# Altium PCB PCB1.pcbdoc (part 1 of 4)
Units mm, origin at the board's own origin, x right, y up, seen from the top; angles counter-clockwise.
Board outline 94.87 x 122.94 mm, 4 copper layers (Top Layer, Inner1, Inner2, Bottom Layer); 129 components, 127 nets, 713 pads, 345 vias.
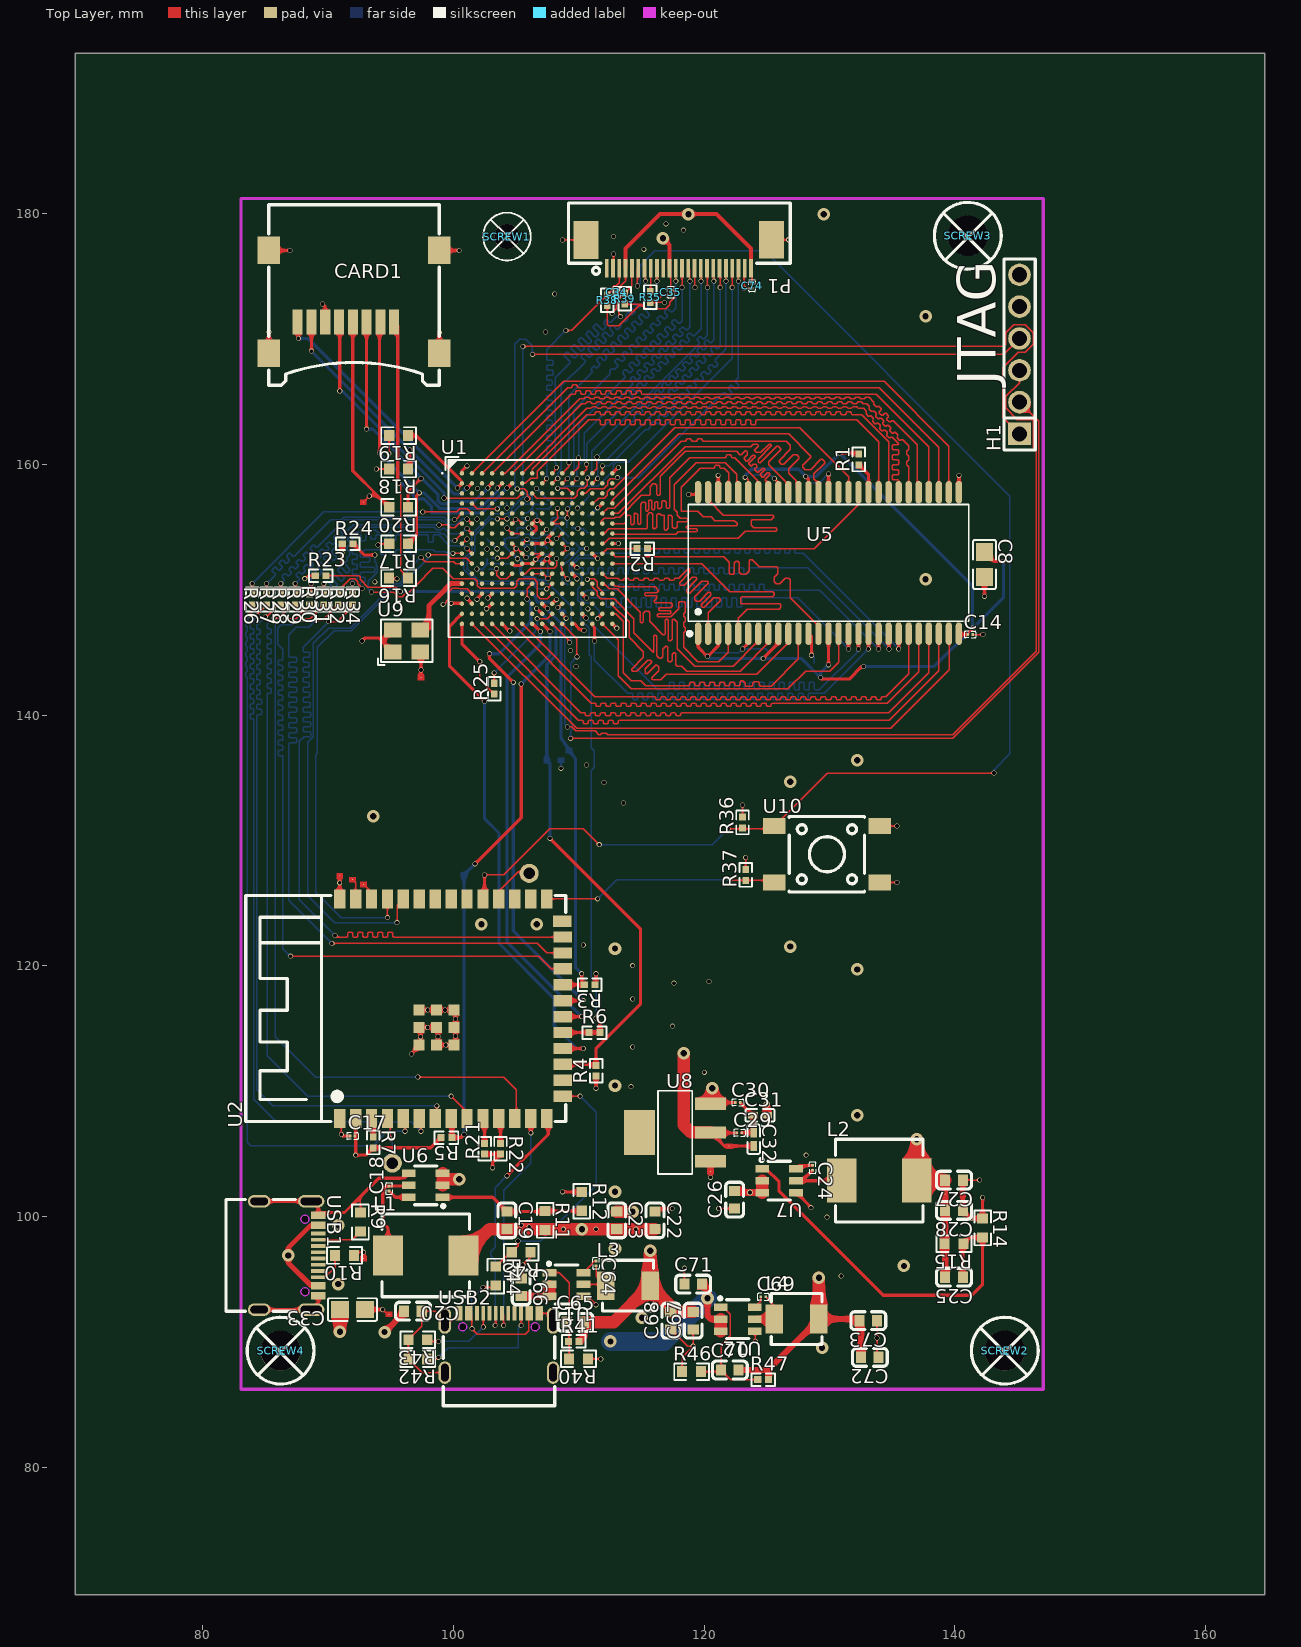
[diagram p0: Top Layer view]
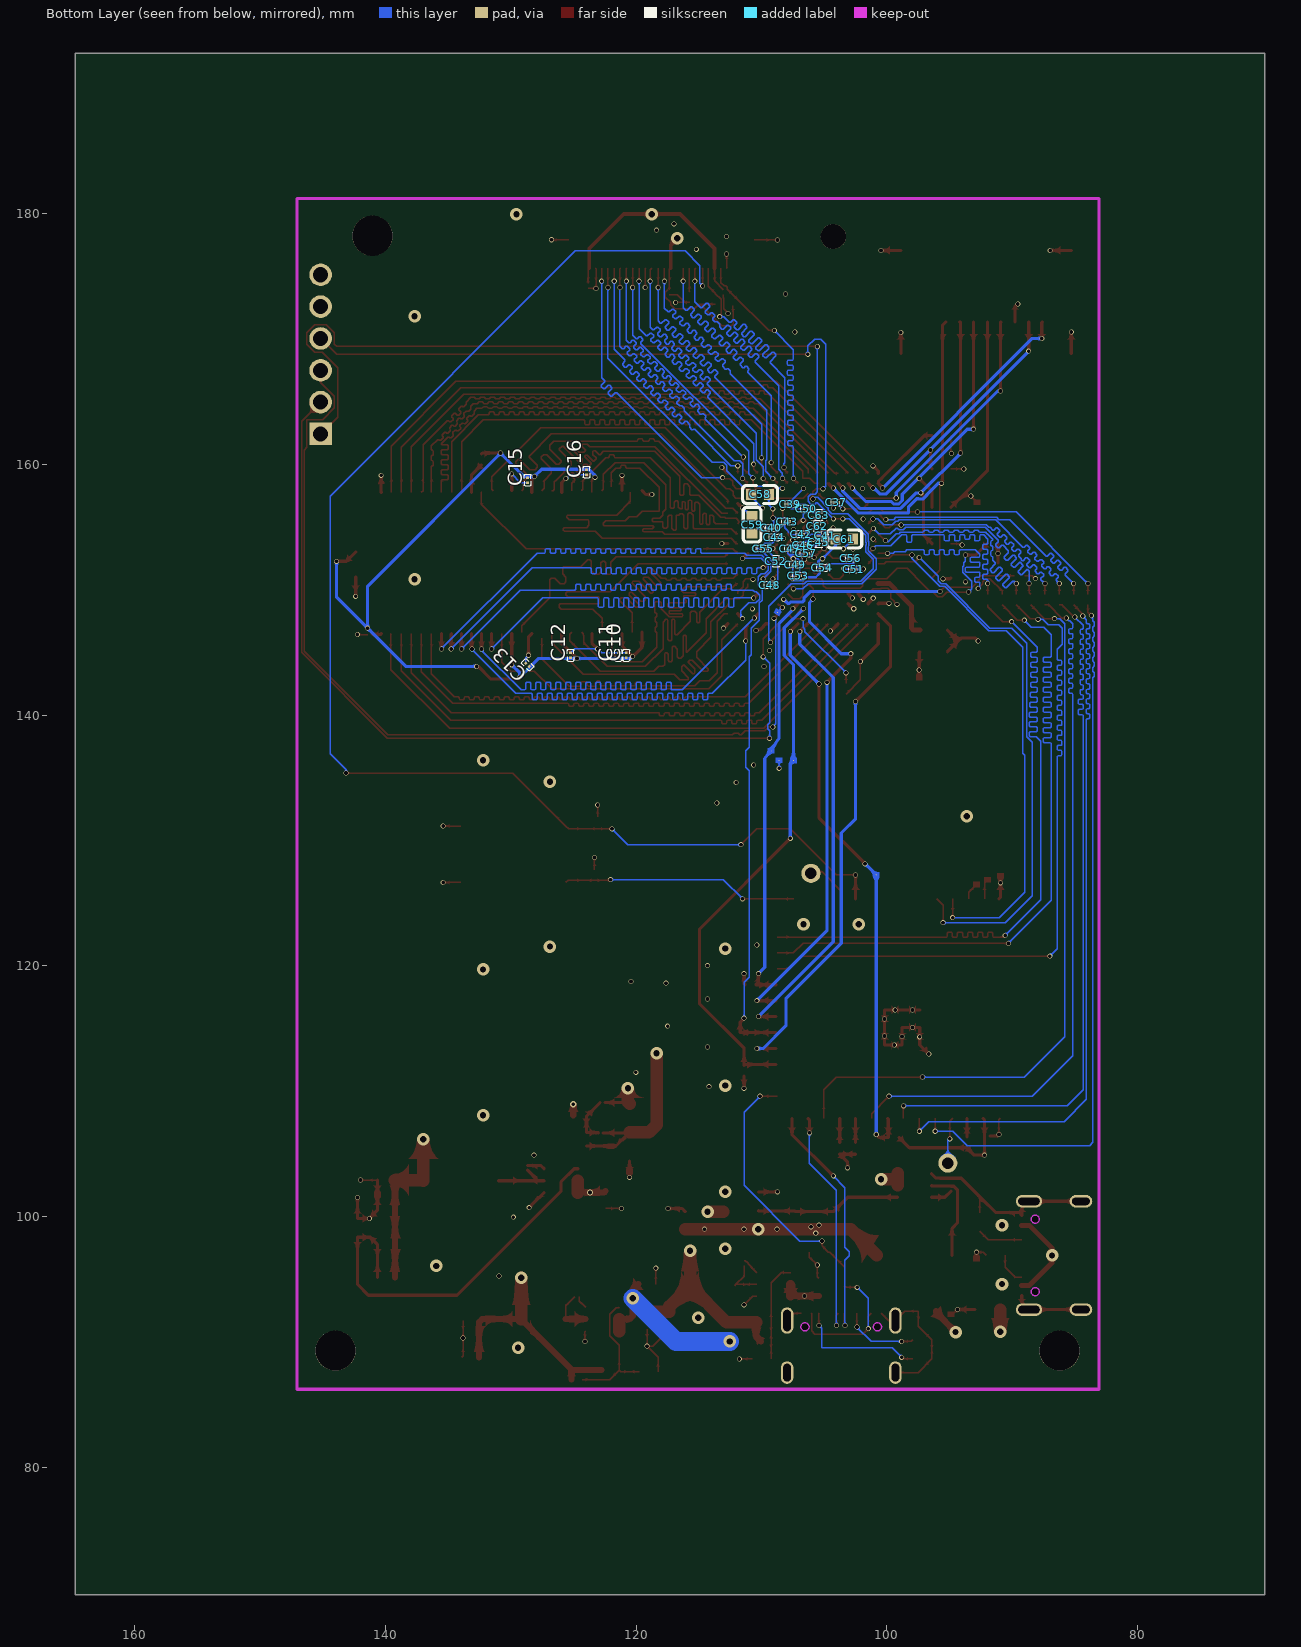
[diagram p1: Bottom Layer view, seen from below]
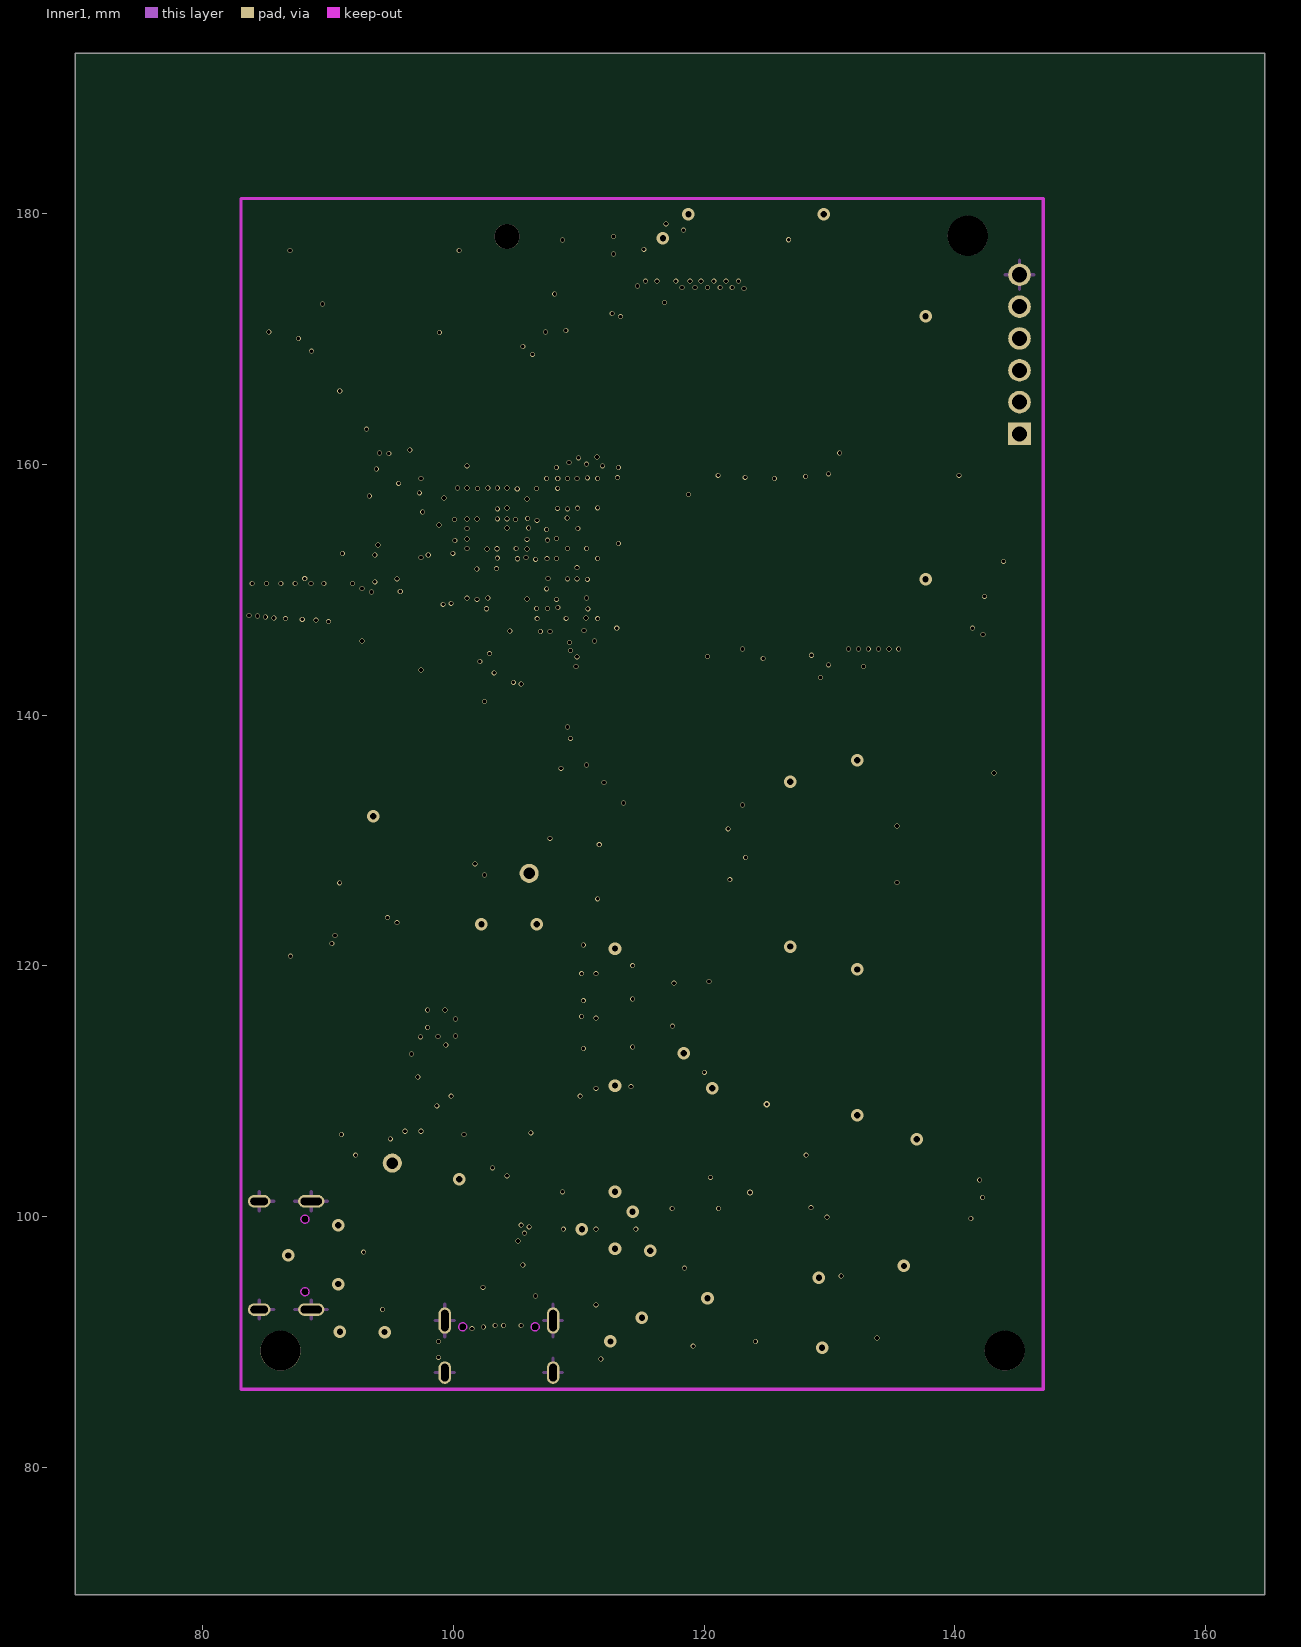
[diagram p2: Inner1]
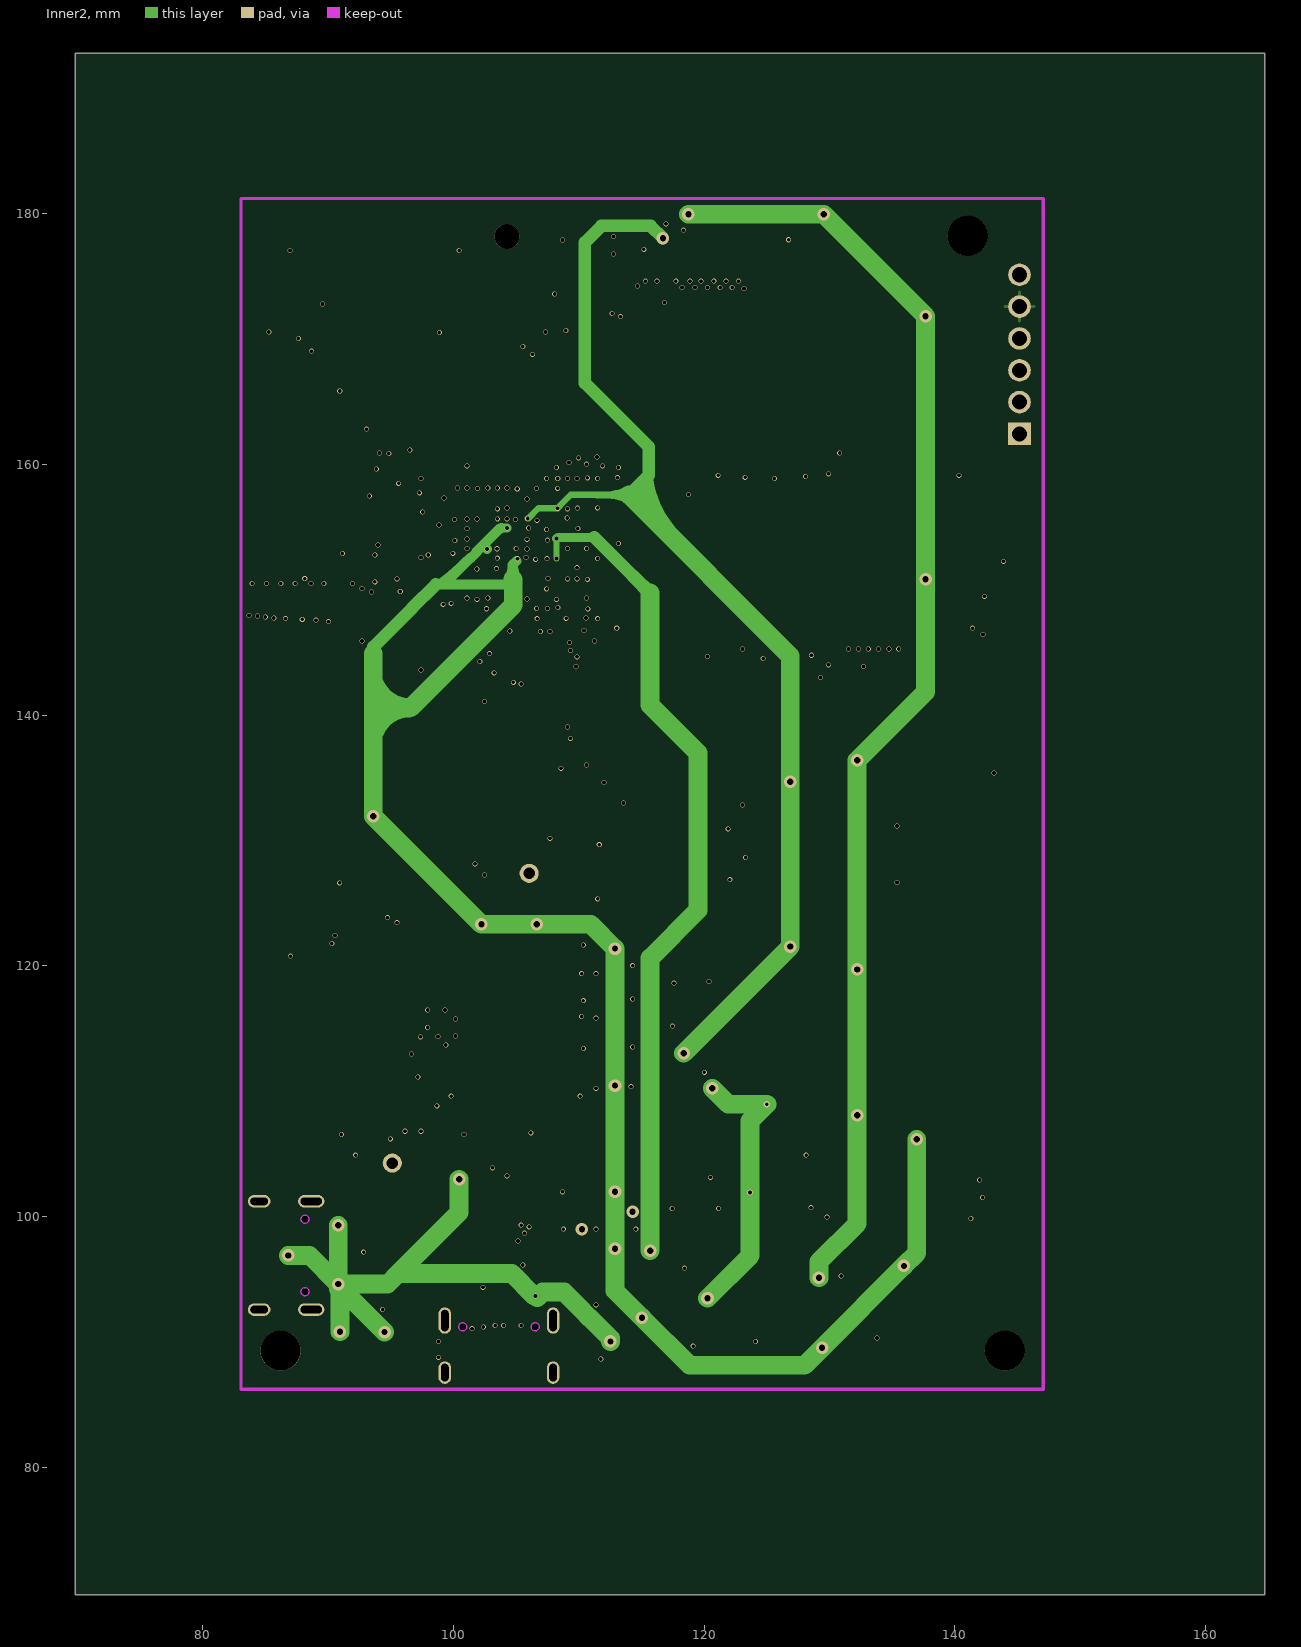
[diagram p3: Inner2]

## Layer stack, top to bottom
Top Layer: signal copper (thickness not stored)
Dielectric: dielectric 0.32, FR-4, Dk 4.8
Inner1: signal copper (thickness not stored)
Dielectric: dielectric 0.32, FR-4, Dk 4.8
Inner2: signal copper (thickness not stored)
Dielectric: dielectric 0.32, FR-4, Dk 4.8
Bottom Layer: signal copper (thickness not stored)

## Board outline
164.719,69.85 69.85,69.85 69.85,192.786 164.719,192.786

## Design rules (kind name [scope] priority, off if disabled: settings)
BoardOutlineClearance copperThickness1oz [All] p0: genericclearance=0.254 ignorepadtopadclearanceinfootprint=FALSE except(0: Arc-SplitContinuation Track-SplitContinuation SMDPad-SplitContinuation THPad-SplitContinuation Via-SplitContinuation Fill-SplitContinuation Poly-SplitContinuation Region-SplitContinuation Text-SplitContinuation; 0.152: Track-CutoutEdge SMDPad-CutoutEdge THPad-CutoutEdge Via-CutoutEdge Region-CutoutEdge; 0.3: Track-OutlineEdge SMDPad-OutlineEdge THPad-OutlineEdge Via-OutlineEdge Fill-OutlineEdge Region-OutlineEdge Poly-OutlineEdge Text-OutlineEdge Fill-CutoutEdge)
BoardOutlineClearance copperThickness2oz [All] p0: genericclearance=0.254 ignorepadtopadclearanceinfootprint=FALSE except(0: Arc-SplitContinuation Track-SplitContinuation SMDPad-SplitContinuation THPad-SplitContinuation Via-SplitContinuation Fill-SplitContinuation Poly-SplitContinuation Region-SplitContinuation Text-SplitContinuation; 0.152: Track-CutoutEdge SMDPad-CutoutEdge THPad-CutoutEdge Via-CutoutEdge Region-CutoutEdge; 0.3: Track-OutlineEdge SMDPad-OutlineEdge THPad-OutlineEdge Via-OutlineEdge Fill-OutlineEdge Region-OutlineEdge Poly-OutlineEdge Text-OutlineEdge Fill-CutoutEdge)
Clearance copperThickness1oz [(InNet('SD_A0') OR InNet('SD_A1') OR InNet('SD_A2') OR InNet('SD_A3') OR InNet('SD_A4') OR InNet('SD_A5') OR InNet('SD_A6') OR InNet('SD_A7') OR InNet('SD_A8') OR InNet('SD_A9') OR InNet('SD_A10') OR InNet('SD_A11') OR InNet('SD_A12') OR InNet('SD_DQ15') OR InNet('SD_DQ14') OR InNet('SD_DQ8') OR InNet('SD_BA0') OR InNet('SD_BA1') OR InNet('SD_DQ9') OR InNet('SD_DQ7') OR InNet('SD_CLK') OR InNet('SD_WE_N') OR InNet('SD_DQ10') OR InNet('SD_CAS_N') OR InNet('SD_DQM1') OR InNet('SD_DQ2') OR InNet('SD_DQ3') OR InNet('SD_DQ11') OR InNet('SD_DQ12') OR InNet('SD_DQ13') OR InNet('SD_DQ0') OR InNet('SD_DQ1') OR InNet('SD_CS_N') OR InNet('SD_RAS_N') OR InNet('SD_DQ4') OR InNet('SD_DQ6') OR InNet('GND') OR InNet('SD_DQ5') OR InNet('SD_DQM0') OR InNet('$1N9437') OR InNet('+3V3') OR InNet('$1N11348') OR InNet('DOUT') OR InNet('DIN') OR InNet('CCLK') OR InNet('DONE') OR InNet('PROGRAMN') OR InNet('INITN') OR InNet('$1N11975') OR InNet('DN') OR InNet('DP') OR InNet('$1N14459') OR InNet('$1N14416') OR InNet('$1N14567') OR InNet('+5V') OR InNet('$1N16833') OR InNet('$1N16832') OR InNet('+1V1') OR InNet('$1N16834') OR InNet('+1V8') OR InNet('$1N17349') OR InNet('$1N12557') OR InNet('$1N12553') OR InNet('M_D2') OR InNet('M_D3') OR InNet('M_CMD') OR InNet('M_CLK') OR InNet('M_D0') OR InNet('M_D1') OR InNet('SDA') OR InNet('SCL') OR InNet('RESET') OR InNet('VSYNC') OR InNet('HREF') OR InNet('Y9') OR InNet('MCLK') OR InNet('Y8') OR InNet('Y7') OR InNet('PCLK') OR InNet('Y6') OR InNet('Y2') OR InNet('Y5') OR InNet('Y3') OR InNet('Y4') OR InNet('CRYSTAL') OR InNet('SSPI_CS_N') OR InNet('D0') OR InNet('D1') OR InNet('D2') OR InNet('D4') OR InNet('D3') OR InNet('D5') OR InNet('D6') OR InNet('D7') OR InNet('RX') OR InNet('TX') OR InNet('$1N29790') OR InNet('$1N29833') OR InNet('$1N29916') OR InNet('$1N29959') OR InNet('$1N30002') OR InNet('$1N30085') OR InNet('$1N30089') OR InNet('$1N30093') OR InNet('TDO') OR InNet('TDI') OR InNet('TMS') OR InNet('TCK') OR InNet('$1N33205') OR InNet('PROGRAM') OR InNet('$2N5507') OR InNet('$2N5509') OR InNet('$2N5511') OR InNet('FSDA') OR InNet('FSCL') OR InNet('+2V5') OR InNet('$1N60668') OR InNet('$1N60669') OR InNet('$1N60670') OR InNet('USB_VBUS') OR InNet('$1N63772') OR InNet('$1N63749') OR InNet('$1N63825') OR InNet('+2V8') OR InNet('$1N64402') OR InNet('$1N64401') OR InNet('$1N64403'))] p1: gap=0.178 ignorepadtopadclearanceinfootprint=FALSE except(0.099: Track-Track; 0.152: Track-SMDPad SMDPad-SMDPad Track-THPad SMDPad-THPad THPad-THPad Track-Via SMDPad-Via THPad-Via Via-Via SMDPad-Fill THPad-Fill Via-Fill Fill-Fill Track-Region SMDPad-Region THPad-Region Via-Region Region-Region Track-Poly SMDPad-Poly THPad-Poly Via-Poly Fill-Poly Region-Poly Poly-Poly Track-Text SMDPad-Text THPad-Text Via-Text Fill-Text Region-Text Poly-Text Text-Text; 0.175: Track-Hole SMDPad-Hole THPad-Hole Via-Hole Fill-Hole Region-Hole Poly-Hole Text-Hole Sheet-Hole; 0.3: Track-Fill Fill-Region Track-Sheet SMDPad-Sheet THPad-Sheet Via-Sheet Fill-Sheet Region-Sheet Poly-Sheet Text-Sheet)
Clearance copperThickness2oz [All] p1: gap=0.178 ignorepadtopadclearanceinfootprint=FALSE except(0.152: Track-SMDPad SMDPad-SMDPad Track-THPad SMDPad-THPad THPad-THPad Track-Via SMDPad-Via THPad-Via Via-Via SMDPad-Fill THPad-Fill Via-Fill Fill-Fill Track-Region SMDPad-Region THPad-Region Via-Region Region-Region Track-Poly SMDPad-Poly THPad-Poly Via-Poly Fill-Poly Region-Poly Poly-Poly Track-Text SMDPad-Text THPad-Text Via-Text Fill-Text Region-Text Poly-Text Text-Text; 0.175: Track-Hole SMDPad-Hole THPad-Hole Via-Hole Fill-Hole Region-Hole Poly-Hole Text-Hole Sheet-Hole; 0.203: Track-Track; 0.3: Track-Fill Fill-Region Track-Sheet SMDPad-Sheet THPad-Sheet Via-Sheet Fill-Sheet Region-Sheet Poly-Sheet Text-Sheet)
DiffPairsRouting differentialPair [All] p1: maxuncoupledlength=10 minlimit=6 maxlimit=6 mostfreqgap=6 toplayer_minwidth=5 toplayer_prefwidth=10 toplayer_maxwidth=100 bottomlayer_minwidth=5 bottomlayer_prefwidth=10 bottomlayer_maxwidth=100 midlayer1_minwidth=5 midlayer1_prefwidth=10 midlayer1_maxwidth=100 midlayer2_minwidth=5 midlayer2_prefwidth=10 midlayer2_maxwidth=100
PasteMaskExpansion pasteMaskExpansion [All] p1: expansion=0
PlaneConnect innerPlane [All] p1: planeconnectstyle=Relief reliefexpansion=0.508 reliefentries=4 reliefconductorwidth=0.254 reliefairgap=0.254
PolygonConnect copperRegion [All] p1: connectstyle=Relief reliefentries=4 reliefconductorwidth=10 polygonreliefangle="90 Angle" airgapwidth=10
RoutingVias viaSize [All] p1: viastyle="Through Hole" holewidth=11.811 minholewidth=11.811 maxholewidth=248.0314 width=15.748 minwidth=15.748 maxwidth=393.7008
SolderMaskExpansion solderMaskExpansion [All] p1: useseparateexpansions=TRUE expansion=2 expansionbottom=2
Width copperThickness1oz [All] p1: maxlimit=100 minlimit=4 preferedwidth=4
Width copperThickness2oz [All] p1: maxlimit=100 minlimit=8 preferedwidth=10

## Components (designator, comment, footprint, x,y, rotation, side; value= is the part's Value field where it differs from the comment)
C8 "CL21A476MQYNNNE" C0805 142.367,152.019 r270 top
C10 "GRM022R60J104KE15D" C01005 120.777,144.78 r90 bottom
C11 "GRM022R60J104KE15D" C01005 121.412,144.78 r90 bottom
C12 "GRM022R60J104KE15D" C01005 125.222,144.78 r90 bottom
C13 "GRM022R60J104KE15D" C01005 128.651,144.018 r45 bottom
C14 "GRM022R60J104KE15D" C01005 141.224,146.431 r0 top
C15 "GRM022R60J104KE15D" C01005 128.651,158.75 r90 bottom
C16 "GRM022R60J104KE15D" C01005 123.952,159.385 r90 bottom
C17 "GRM022R60J104KE15D" C01005 91.948,106.426 r0 top
C18 "GRM022R60J104KE15D" C01005 94.869,102.235 r90 top
C19 "TCC0603X7R104K500CT" C0603 104.267,99.695 r270 top
C20 "TCC0603X5R226M6R3CT" C0603 96.774,92.456 r180 top
C22 "TCC0603X5R226M6R3CT" C0603 116.078,99.695 r270 top
C23 "TCC0603X5R226M6R3CT" C0603 113.03,99.695 r270 top
C24 "GRM022R60J104KE15D" C01005 128.651,103.886 r270 top
C25 "TCC0603X7R104K500CT" C0603 139.933,95.162 r180 top
C26 "TCC0603X5R226M6R3CT" C0603 122.428,101.346 r90 top
C27 "TCC0603X5R226M6R3CT" C0603 139.933,102.909 r180 top
C28 "TCC0603X5R226M6R3CT" C0603 139.933,100.496 r180 top
C29 "GRM022R60J104KE15D" C01005 122.809,106.68 r0 top
C30 "GRM022R60J104KE15D" C01005 122.682,109.093 r0 top
C31 "GRM155R60J106ME44D" C0402 124.46,108.077 r0 top
C32 "GRM155R60J106ME44D" C0402 123.952,106.172 r270 top
C33 "CL21A476MQYNNNE" C0805 91.948,92.583 r180 top
C34 "GRM022R60J104KE15D" C01005 113.03,173.736 r270 top
C35 "GRM022R60J104KE15D" C01005 117.348,173.736 r270 top
C37 "GRM022R60J104KE15D" C01005 104.013,156.972 r180 bottom
C39 "GRM022R60J104KE15D" C01005 107.696,156.845 r180 bottom
C40 "GRM022R60J104KE15D" C01005 109.22,154.94 r180 bottom
C41 "GRM022R60J104KE15D" C01005 104.902,154.305 r90 bottom
C42 "GRM022R60J104KE15D" C01005 106.807,154.432 r180 bottom
C43 "GRM022R60J104KE15D" C01005 107.95,155.448 r180 bottom
C44 "GRM022R60J104KE15D" C01005 108.966,154.178 r180 bottom
C45 "GRM022R60J104KE15D" C01005 105.41,153.797 r270 bottom
C46 "GRM022R60J104KE15D" C01005 106.68,153.543 r180 bottom
C47 "GRM022R60J104KE15D" C01005 107.696,153.289 r0 bottom
C48 "GRM022R60J104KE15D" C01005 109.347,150.368 r180 bottom
C49 "GRM022R60J104KE15D" C01005 107.315,152.019 r180 bottom
C50 "GRM022R60J104KE15D" C01005 106.426,156.464 r180 bottom
C51 "GRM022R60J104KE15D" C01005 102.616,151.638 r180 bottom
C52 "GRM022R60J104KE15D" C01005 108.839,152.273 r270 bottom
C53 "GRM022R60J104KE15D" C01005 107.061,151.13 r180 bottom
C54 "GRM022R60J104KE15D" C01005 105.156,151.765 r180 bottom
C55 "GRM022R60J104KE15D" C01005 109.855,153.289 r0 bottom
C56 "GRM022R60J104KE15D" C01005 102.87,152.527 r180 bottom
C57 "GRM022R60J104KE15D" C01005 106.426,152.908 r0 bottom
C58 "TCC0603X5R226M6R3CT" C0603 110.109,157.607 r180 bottom
C59 "TCC0603X5R226M6R3CT" C0603 110.744,155.194 r90 bottom
C61 "TCC0603X5R226M6R3CT" C0603 103.378,154.051 r180 bottom
C62 "GRM022R60J104KE15D" C01005 105.537,155.067 r270 bottom
C63 "GRM022R60J104KE15D" C01005 105.41,155.956 r90 bottom
C64 "GRM022R60J104KE15D" C01005 111.379,96.266 r270 top
C65 "TCC0603X7R104K500CT" C0603 109.728,91.567 r0 top
C66 "TCC0603X5R226M6R3CT" C0603 105.41,94.361 r270 top
C67 "TCC0603X5R226M6R3CT" C0603 119.126,91.694 r90 top
C68 "TCC0603X5R226M6R3CT" C0603 117.348,91.694 r90 top
C69 "GRM022R60J104KE15D" C01005 124.714,93.599 r0 top
C70 "TCC0603X7R104K500CT" C0603 122.047,87.757 r0 top
C71 "TCC0603X5R226M6R3CT" C0603 119.126,94.615 r0 top
C72 "TCC0603X5R226M6R3CT" C0603 133.223,88.773 r180 top
C73 "TCC0603X5R226M6R3CT" C0603 133.096,91.694 r180 top
C74 "GRM022R60J104KE15D" C01005 123.825,174.244 r270 top
CARD1 "DS1139-06-08SS4BSR" TF-SMD_DS1139-06-08SS4BSR 92.075,172.974 r0 top
H1 "2.54-1x6P直针" HDR-TH_6P-P2.54-V-M-1 145.161,168.783 r90 top
L1 "FXL0630-6R8-M" IND-SMD_L7.0-W6.6 97.79,96.901 r0 top
L2 "FXL0630-100-M" IND-SMD_L7.3-W6.8 133.969,102.864 r0 top
L3 "SL0420-3R3M" IND-SMD_L4.5-W4.1_SL0420 113.919,94.488 r0 top
L4 "SL0420-3R3M" IND-SMD_L4.5-W4.1_SL0420 127.381,91.821 r0 top
P1 "AFC07-S24FCC-00" FPC-SMD_AFC07-S24FCC-00 117.983,176.784 r180 top
R1 "0402WGF1002TCE" R0402 132.334,160.401 r90 top
R2 "0402WGF330JTCE" R0402 115.062,153.289 r180 top
R3 "0402WGF1002TCE" R0402 110.871,118.491 r180 top
R4 "0402WGF1002TCE" R0402 111.379,111.633 r90 top